# Altium PCB Fri3D_2024_01.PcbDoc (part 2 of 2)
Units mm, origin at the board's own origin, x right, y up, seen from the top; angles counter-clockwise.
Board outline 130.04 x 99.52 mm, 2 copper layers (Top Layer, Bottom Layer), stack 1.571 mm thick; 104 components, 67 nets, 407 pads, 196 vias.
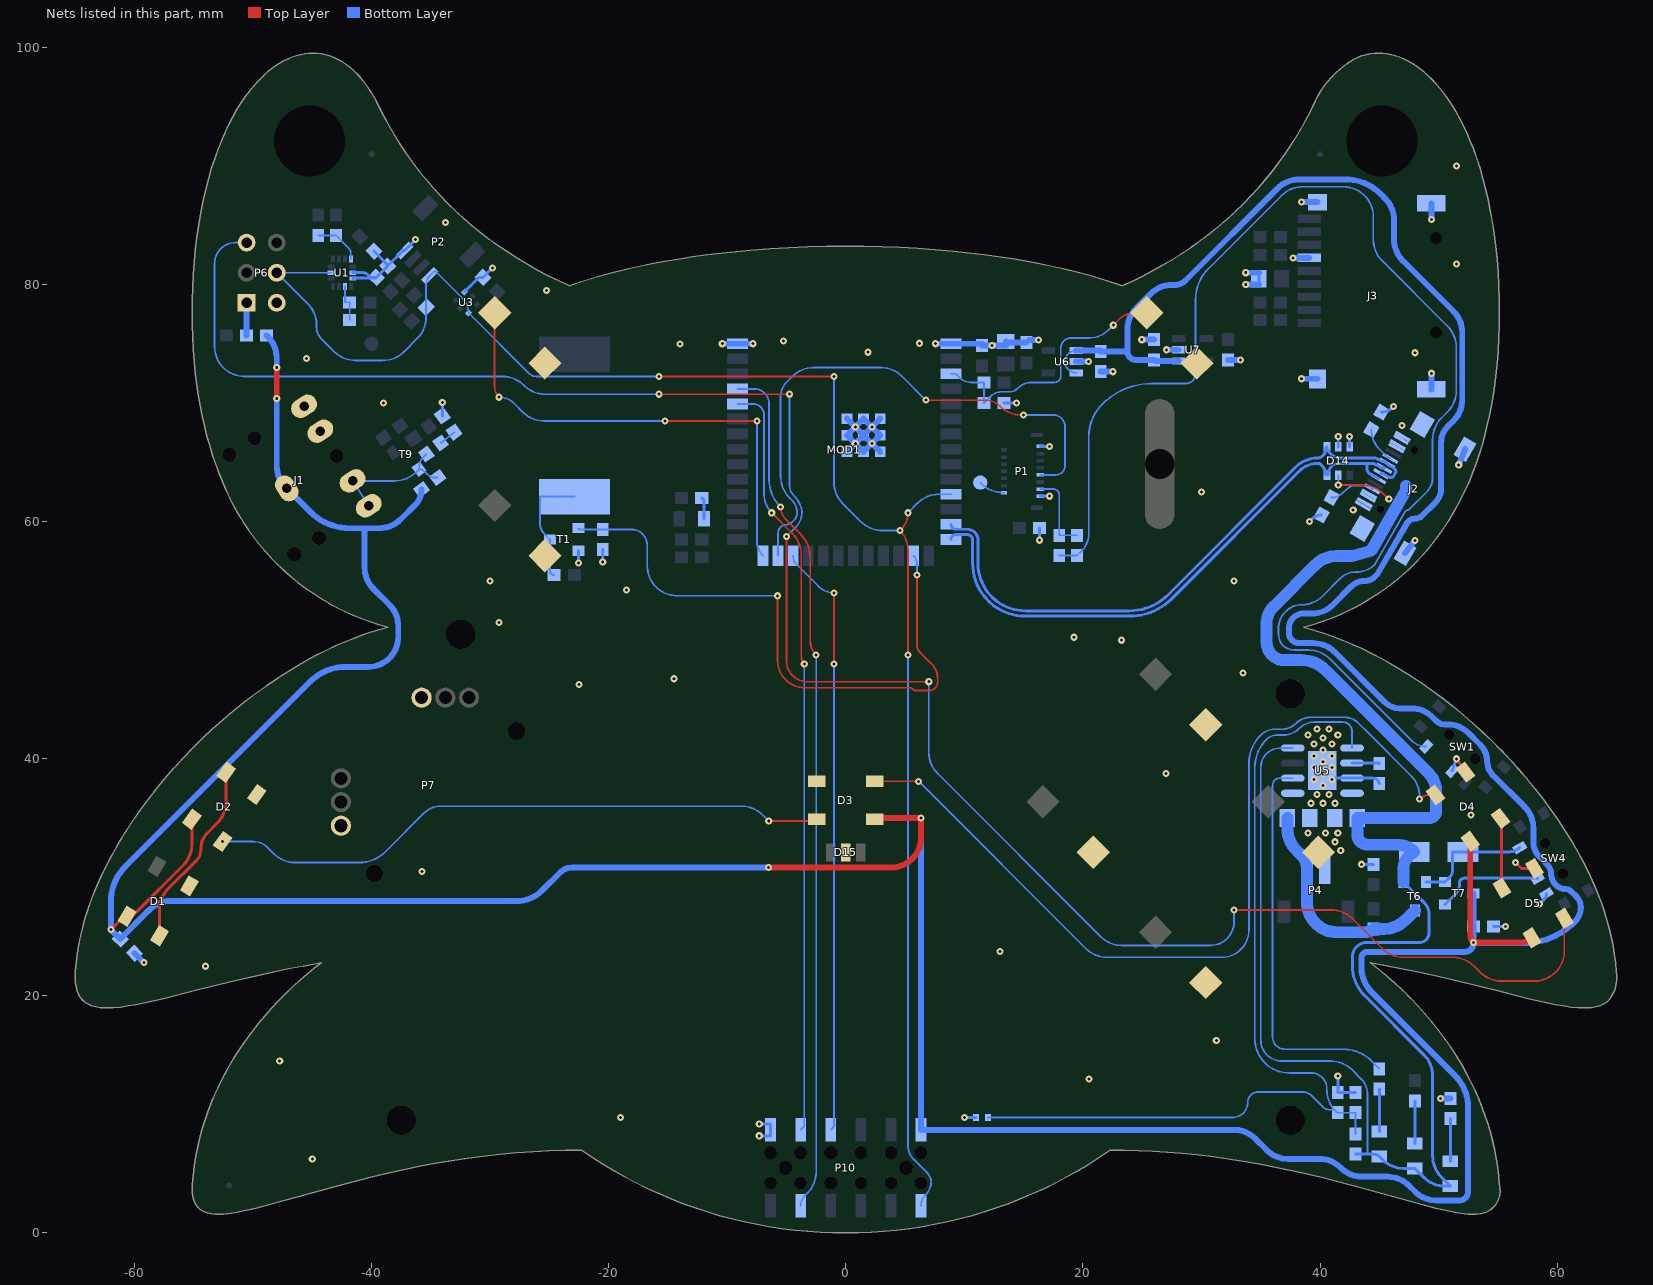
[diagram p2: the nets of this part, all layers, seen from the top]

## Via types
v1: diameter 0.6, hole 0.25, Top Layer to Bottom Layer, tented top, 196 vias

## Nets (pads, with @x,y where several pads share a name; then routed paths per layer and width w, separated by ;. In a path a pad name is that pad's centre, name@x,y a point inside that pad or via, vN(x,y) a via of type N, cw(c..) or ccw(c..) an arc to the next point about the centre after c; other vN are vias at no path point) (continued)
ESP.IO43: MOD1.37 P10.4 | length 72.7
  Top Layer w0.15: v1(-5.5,61.25) ccw(c-4.034,61.25) -5.071,60.213 -3.845,58.987 cw(c-5.884,56.948) -3,56.948 -3,49.957 ccw(c-1.293,49.957) v1(-2.5,48.75)
  Bottom Layer w0.15: MOD1.37@-9.125,71.2 -7.7,71.2 cw(c-7.7,69.973) -6.473,69.973 -6.473,63.52 ccw(c-3.341,63.52) v1(-5.5,61.25) ; P10.4@-3.81,2.3 cw(c-2.627,2.3) -3.464,3.136 -3.244,3.356 ccw(c-5.04,5.152) -2.5,5.152 v1(-2.5,48.75)
ESP.IO44: MOD1.36 P10.3 | length 64.4
  Top Layer w0.15: v1(-6.25,60.75) -4.494,58.994 cw(c-6.29,57.198) -3.75,57.198 -3.75,48.604 ccw(c-2.896,48.604) v1(-3.5,48)
  Bottom Layer w0.15: MOD1.36@-9.125,69.93 -7.805,69.93 cw(c-7.805,69.022) -6.897,69.022 -6.897,62.312 ccw(c-4.688,62.312) v1(-6.25,60.75) ; P10.3@-3.81,8.7 -3.5,9.01 v1(-3.5,48)
ESP.IO45: MOD1.26 SW5.1 | length 41.1
  Top Layer w0.15: SW5.1@-29.621,77.621 -29.621,71.396 ccw(c-28.354,71.396) v1(-29.25,70.5) ; v1(-15.25,68.5) v1(-7.5,68.5)
  Bottom Layer w0.15: v1(-29.25,70.5) cw(c-29.25,68.689) -27.97,69.97 -27.244,69.244 ccw(c-25.448,71.04) -26.498,68.727 ccw(c-25.448,71.04) -25.448,68.5 v1(-15.25,68.5) ; v1(-7.5,68.5) -7.5,58.368 ccw(c-5.742,58.368) MOD1.26@-6.985,57.125
ESP.IO46: MOD1.16 R5.1 T1.1 | length 52.9
  Top Layer w0.15: v1(-5.75,53.75) -5.75,48.29 ccw(c-3.46,48.29) -3.46,46 5.315,46 cw(c5.315,45.452) 5.702,45.84 ccw(c5.918,46.056) 5.918,45.75 7,45.75 ccw(c7,46.5) 7.75,46.5 7.75,46.75 ccw(c5.939,46.75) 7.22,48.03 6.25,49 cw(c6.854,49.604) 6,49.604 v1(6,55.5)
  Bottom Layer w0.15: T1.1@-22.55,59.45 ccw(c-22.45,59.45) -22.45,59.35 R5.1@-20.5,59.35 -18.1,59.35 cw(c-18.1,58) -16.75,58 -16.75,56.29 ccw(c-14.21,56.29) -14.21,53.75 v1(-5.75,53.75) ; MOD1.16@5.715,57.125 cw(c5.027,56.437) 6,56.437 v1(6,55.5)
ESP.IO47: MOD1.24 P10.5 | length 50.3
  Top Layer w0.15: v1(-1,48) v1(-1,54)
  Bottom Layer w0.15: MOD1.24@-4.445,57.125 ccw(c-3.407,57.125) -4.141,56.391 -2.28,54.53 ccw(c-1,55.811) v1(-1,54) ; P10.5@-1.27,8.7 -1,8.97 v1(-1,48)
ESP.IO48: MOD1.25 P1.9 | length 47.7
  Top Layer w0.15: v1(6.75,70.25) 11.793,70.25 cw(c11.793,68.543) 13,69.75 13.006,69.744 ccw(c14.802,71.54) 14.802,69 v1(15,69)
  Bottom Layer w0.15: MOD1.25@-5.715,57.125 -5.715,59.035 cw(c-5,59.035) -5,59.75 ccw(c-5,60.354) -4.573,59.927 -4.357,60.143 ccw(c-4.966,60.753) -4.104,60.753 ccw(c-5.625,60.753) -4.55,61.828 -4.756,62.035 cw(c-2.96,63.831) -5.5,63.831 -5.5,70.543 cw(c-3.793,70.543) -5,71.75 -4.494,72.256 cw(c-2.698,70.46) -2.698,73 2.948,73 cw(c2.948,70.46) 4.744,72.256 v1(6.75,70.25) ; v1(15,69) 17.5,69 cw(c17.5,68) 18.5,68 18.5,64.75 cw(c17.698,64.75) 17.698,63.948 P1.9@16.4,63.948
ESP.RESET: C8.1 MOD1.3 R8.2 SW11.1 | length 22.9
  Top Layer w0.15: v1(22.563,76.573) 23.043,77.053 cw(c24.414,75.683) 24.414,77.621 SW11.1@25.379,77.621
  Bottom Layer w0.15: MOD1.3@8.875,72.47 9.28,72.47 9.601,72.149 ccw(c10.564,73.112) 10.564,71.75 R8.2@11.65,71.75 C8.1@11.65,70 12.241,70.591 cw(c13.118,69.714) 13.118,70.954 13.786,70.954 ccw(c13.786,71.964) 14.5,71.25 cw(c15.707,70.043) 15.707,71.75 17.602,71.75 ccw(c17.602,72.284) 18.137,72.284 18.137,74.637 cw(c19,74.637) 19,75.5 20.536,75.5 ccw(c20.536,77.802) 22.163,76.173 ; 22.164,76.174 v1(22.563,76.573)
GND: C1.2 C2.2 C3.2 C4.2 C5.2 C6.2 C8.2 C9.2 C10.2 C11.2 C12.2 C16.2 C17.2 C18.2 C19.2 C20.2 C21.2 D1.3 D2.3 D3.3 D4.3 D5.3 D14.2 D14.3 D15.2 J1.2 J1.4 J2.A1 J2.A12 J2.B1 J2.B12 J2.MH1 J2.MH2 J2.MH3 J2.MH4 J3.6 J3.G1 J3.G2 J3.G3 J3.G4 MOD1.1 MOD1.40 MOD1.41 P1.1 P1.15 P2.1 P4.1 P6.2 P7.3 P7.6 P10.1 R5.2 R16.2 R17.2 R22.2 R25.2 R26.2 R27.2 R37.2 R38.2 R47.2 SW1.2 SW4.3 SW5.2 SW6.2 SW7.2 SW8.2 SW9.2 SW10.2 SW11.2 T1.2 U1.6 U1.7 U3.5 U5.3 U5.9 U6.2 U7.2 | length 90.8
  Top Layer w0.25: v1(51.5,40) D4.3@52.281,38.88 ; v1(56.5,31.25) 57,30.75 D5.3@58.086,30.75
  Bottom Layer w0.25: U1.7@-41.587,80.5 cw(c-41.479,80.392) -41.479,80.545 -39.737,80.545 ccw(c-39.737,80.737) C11.2@-39.601,80.601 ; U1.6@-41.587,81 -40.725,81 cw(c-40.725,80.396) -40.298,80.823 -40.076,80.601 C11.2@-39.601,80.601 ; C2.2@-39.794,82.825 -38.735,81.766 cw(c-38.937,81.564) C6.2@-38.651,81.564 ; v1(-36.3,83.8) -36.3,83.781 P2.1@-37.21,82.871 ccw(c-37.21,82.549) -37.438,82.777 C6.2@-38.651,81.564 ; R47.2@-34.038,68.928 v1(-34.038,70.04) ; U3.5@-32.177,79.384 -30.96,80.601 C3.2@-30.601,80.601 v1(-29.814,81.388) ; v1(-22.55,56.513) T1.2@-22.55,57.55 ; v1(-20.5,56.613) R5.2@-20.5,57.65 ; v1(-7.3,8.2) -6.35,8.2 P10.1@-6.35,8.7 -6.35,9.2 v1(-7.3,9.2) ; v1(10,9.75) R27.2@11,9.75 ; C8.2@13.35,70 v1(14.387,70) ; C19.2@15.25,75.1 C19.2@15.475,75.325 ; v1(16.35,58.437) C4.2@16.35,59.474 ; P1.15@16.4,62.148 v1(17.188,62.148) ; P1.1@16.4,66.348 v1(17.188,66.348) ; C1.2@34.85,80 C1.2@34.85,80.5 C1.2@34.85,81 ; v1(39.1,60) 39.338,60.238 cw(c40.125,59.451) R37.2@40.125,60.564 ; v1(41,38.25) 41,38.365 U5.3@42.7,38.365 44.406,38.365 cw(c44.406,37.681) 44.89,38.165 R22.2@45,37.9 ; v1(41.5,13.25) R25.2@41.5,11.85 R26.2@43,11.85 ; D14.2@41.54,66.318 v1(41.54,67.2) ; D14.3@42.49,66.318 v1(42.49,67.2) ; v1(43.5,31.1) R17.2@44.5,31.1 ; R38.2@45.175,69.236 ccw(c45.175,70.591) 46.133,69.633 v1(46.2,69.7) ; SW1.2@51.15,38.989 v1(51.5,40) ; C12.2@54.65,25.85 v1(55.638,25.85) ; v1(58.5,27.75) 58.905,28.155 ccw(c58.444,28.616) SW4.3@59.096,28.616 ; C11.2@-39.601,80.601 -38.651,81.551 C6.2@-38.651,81.564
  Bottom Layer w0.5: C5.2@-59.999,23.599 v1(-59.212,22.812) ; v1(-10.419,75.01) MOD1.40@-9.125,75.01 v1(-7.831,75.01) ; MOD1.41@0.1,65.89 v1(0.8,66.59) ; MOD1.41@0.1,68.69 v1(0.8,67.99) ; MOD1.41@2.9,65.89 v1(2.2,66.59) ; MOD1.41@2.9,68.69 v1(2.2,67.99) ; v1(7.581,75.01) MOD1.1@8.875,75.01 11.5,75.01 C9.2@11.5,74.85 v1(12.35,74.85) 13.5,74.85 C10.2@13.5,75.2 ccw(c13.742,75.442) 13.742,75.1 C19.2@15.25,75.1 ; C19.2@15.475,75.325 v1(16.269,75.325) ; U6.2@19.425,73.5 v1(20.462,73.5) ; C18.2@21.5,72.65 v1(22.537,72.65) ; v1(24.963,75.35) C20.2@26,75.35 ; v1(27.038,74.5) U7.2@28.075,74.5 ; C21.2@32.25,73.65 v1(33.287,73.65) ; v1(33.737,80) C1.2@34.85,80 ; v1(33.737,81) C1.2@34.85,81 ; v1(37.728,82.254) J3.6@39.091,82.254 ; v1(38.428,72.054) J3.G4@39.791,72.054 ; v1(38.428,86.954) J3.G1@39.791,86.954 ; J2.MH3@47.171,57.336 v1(48,58.4) ; J3.G3@49.391,71.154 v1(49.391,72.517) ; v1(49.391,85.492) J3.G2@49.391,86.854 ; v1(50.161,11.348) 50.163,11.35 R16.2@51,11.35 ; v1(51.7,64.8) J2.MH2@52.241,66.117 ; v1(0.8,66.59) MOD1.41@0.1,67.29 v1(0.8,67.99) ; v1(0.8,66.59) MOD1.41@1.5,67.29 ; v1(0.8,66.59) MOD1.41@1.5,65.89 v1(2.2,66.59) ; v1(0.8,67.99) MOD1.41@1.5,67.29 ; v1(0.8,67.99) MOD1.41@1.5,68.69 v1(2.2,67.99) ; MOD1.41@1.5,67.29 v1(2.2,67.99) ; MOD1.41@1.5,67.29 v1(2.2,66.59) ; v1(2.2,66.59) MOD1.41@2.9,67.29 v1(2.2,67.99)
  other v1: -45,6.25 -19,9.75 20.5,13 -47.75,14.5 31.25,16.25 -54,22.5 13,23.75 -35.75,30.5 41.75,32.25 41.25,33 39,33.75 40.45,33.75 41.5,33.75 52.75,35.25 39.25,36.25 40.25,36.25 41.25,36.25 39.75,37 40.75,37 40.25,37.75 39.5,38.25 27,38.75 40.25,38.75 39.5,39.25 41,39.25 40.25,39.75 39.5,40.25 41,40.25 40.25,40.75 39.5,41.25 41,41.25 40.25,41.75 39,42 41.5,42 39.75,42.5 40.75,42.5 -22.5,46.25 -14.5,46.75 33.5,47.25 23.25,50 19.25,50.25 -29.25,51.5 -18.5,54.25 -30,55 32.75,55 42.8,61 30,62.5 46.9,68.1 -39,70 -45.5,73.75 48,74.25 1.88,74.295 -14,75 6.215,75.046 -5.25,75.25 -25.25,79.5 51.5,81.75 -33.75,85.25 51.5,90
I2C.SCL: MOD1.11 P2.4 P6.4 P10.12 R10.2 U1.13 U3.2 | length 145.2
  Top Layer w0.15: v1(-15.75,72.25) v1(-1,72.25) ; v1(5.25,48.75) 5.25,57.585 ccw(c2.895,57.585) v1(4.56,59.25) 4.677,59.367 ccw(c3.294,60.75) v1(5.25,60.75)
  Bottom Layer w0.15: U1.13@-43.413,81 P6.4@-48,81 -45.384,78.384 cw(c-47.18,76.588) -44.64,76.588 -44.64,76.362 ccw(c-43.38,76.362) -44.271,75.471 -43.144,74.344 ccw(c-41.348,76.14) -41.348,73.6 -39.052,73.6 ccw(c-39.052,76.14) -37.256,74.344 -36.143,75.457 ccw(c-37.939,77.253) -35.399,77.253 R10.2@-35.399,78.101 -35.4,78.102 -35.4,79.998 cw(c-34.337,79.998) P2.4@-35.089,80.75 -34.738,81.1 -34.6,81.1 -32.323,78.823 cw(c-33.531,77.616) U3.2@-31.823,77.616 -26.701,72.494 ccw(c-26.112,73.083) -26.112,72.25 v1(-15.75,72.25) ; v1(-1,72.25) -1,63.323 ccw(c1.54,63.323) -0.256,61.527 1.235,60.036 ccw(c3.132,61.932) 3.132,59.25 v1(4.56,59.25) ; v1(5.25,48.75) 5.25,7.338 ccw(c6.851,7.338) 5.719,6.205 6.9,5.024 cw(c6.175,4.3) 7.2,4.3 cw(c5.751,4.3) 6.776,3.276 6.739,3.239 ccw(c7.678,2.3) P10.12@6.35,2.3 ; v1(5.25,60.75) 6.08,61.58 cw(c7.843,59.817) 7.843,62.31 MOD1.11@8.875,62.31
LCD.LED_K: R6.2 R43.2 SW1.1 | length 112.5
  Bottom Layer w0.15: R6.2@18,57.15 R43.2@19.5,57.15 19.899,57.549 ccw(c18.448,59) 20.5,59 20.5,67.183 cw(c24.369,67.183) 21.633,69.919 cw(c25.797,65.755) 25.797,71.644 28.644,71.644 ccw(c28.644,72.5) 29.5,72.5 29.5,78.711 cw(c33.23,78.711) 30.593,81.349 36.75,87.506 cw(c38.546,85.71) 38.546,88.25 41.96,88.25 cw(c41.96,85.71) 44.5,85.71 44.5,83.802 ccw(c47.04,83.802) 45.244,82.006 50.756,76.494 cw(c48.96,74.698) 51.5,74.698 51.5,71.052 cw(c48.96,71.052) 50.756,69.256 50.244,68.744 ccw(c52.04,66.948) 49.5,66.948 49.5,63.707 cw(c47.793,63.707) 49,62.5 47.5,61 ccw(c47.5,60.574) 47.199,60.875 44.606,56.384 cw(c43.072,57.918) 43,55.75 ccw(c43,53.939) 41.72,55.22 40.207,53.707 cw(c38.5,55.414) 38.5,53 ccw(c38.5,51) 36.506,51.153 ccw(c38.5,51) 36.5,51 36.5,50.5 ccw(c37.825,50.5) 37.825,49.175 39.023,49.175 cw(c39.023,46.635) 40.819,48.431 47.69,41.56 ccw(c48.956,42.826) SW1.1@48.956,41.035
LCD.TE: P1.14 TP2.1 | length 2.3
  Bottom Layer w0.15: TP2.1@11.345,63.297 11.45,63.192 ccw(c13.246,64.988) 13.246,62.448 P1.14@13.335,62.448 P1.14@13.393,62.448
LED.DOUT: D5.2 P6.5 | length 172.4
  Top Layer w0.15: v1(-15.75,70.75) v1(-4.75,70.75) ; v1(-5,58.75) -5,48.25 ccw(c-3.25,48.25) -3.25,46.5 v1@6.959,46.5 ; v1(32.75,27.25) 40.948,27.25 cw(c40.948,24.71) 42.744,26.506 45.256,23.994 ccw(c47.052,25.79) 47.052,23.25 51.198,23.25 cw(c51.198,20.71) 52.994,22.506 53.506,21.994 ccw(c55.302,23.79) 55.302,21.25 58.07,21.25 ccw(c58.07,23.79) 60.61,23.79 D5.2@60.609,26.549
  Bottom Layer w0.15: P6.5@-50.54,83.54 -51.46,83.54 ccw(c-51.46,81.75) -53.25,81.75 -53.25,74.79 ccw(c-50.71,74.79) -50.71,72.25 -28.946,72.25 cw(c-28.946,69.742) -27.173,71.516 -27.151,71.494 ccw(c-25.355,73.29) -27.079,71.424 ccw(c-25.355,73.29) -25.355,70.75 v1(-15.75,70.75) ; v1(-5,58.75) -4.226,59.524 ccw(c-5.489,60.787) -3.703,60.787 ccw(c-5.341,60.737) -3.836,61.387 ccw(c-6.258,60.34) -4.392,62.206 cw(c-3.529,63.069) -4.75,63.069 v1(-4.75,70.75) ; v1(7,46.5) 7,40.552 ccw(c9.54,40.552) 7.744,38.756 21.506,24.994 ccw(c23.302,26.79) 23.302,24.25 30.75,24.25 ccw(c30.75,26.25) 32.75,26.25 v1(32.75,27.25)
NetBUZ1_1: BUZ1.1 R11.1 T1.3 | length 10
  Bottom Layer w0.15: -25.429,58.979 cw(c-24.533,59.875) -25.8,59.875 -25.8,62.115 BUZ1.1@-22.88,62.115 ; -25.429,58.979 T1.3@-24.95,58.5 -24.95,55.85 ccw(c-24.6,55.85) R11.1@-24.6,55.5
NetD1_2: D1.2 D2.4 | length 15.8
  Top Layer w0.25: D1.2@-57.89,25.076 -57.89,27.258 cw(c-55.35,27.258) -57.146,29.054 -54.754,31.446 ccw(c-55.607,32.3) -54.4,32.3 -54.4,32.422 cw(c-52.522,32.422) -53.851,33.749 ; -53.85,33.75 -53.02,34.58 ccw(c-54.816,36.376) -52.276,36.376 D2.4@-52.276,38.865
NetD2_2: D2.2 D3.4 | length 52.9
  Top Layer w0.15: v1(-6.5,34.75) -2.812,34.75 ccw(c-2.812,35.262) D3.4@-2.45,34.9
  Bottom Layer w0.15: v1(-52.568,33.02) -50.006,33.02 cw(c-50.006,31.244) -48.75,32.5 -48.244,31.994 ccw(c-46.448,33.79) -46.448,31.25 -41.052,31.25 ccw(c-41.052,34.419) -38.812,32.178 -35.549,35.44 cw(c-34.198,34.089) -34.198,36 -8.802,36 cw(c-8.802,33.46) -7.006,35.256 v1(-6.5,34.75)
NetD3_2: D3.2 D4.4 | length 74.3
  Top Layer w0.15: D3.2@2.45,38.1 v1(6.138,38.1) ; v1(48.407,36.6) cw(c49.262,35.745) 49.262,36.954 D4.4@49.725,36.954
  Bottom Layer w0.15: v1(6.138,38.1) 20.244,23.994 ccw(c22.04,25.79) 22.04,23.25 31.71,23.25 ccw(c31.71,25.54) 34,25.54 34,39.594 cw(c37.394,39.594) 34.994,41.994 cw(c36.216,40.772) 36.216,42.5 36.793,42.5 ccw(c36.793,44.207) 38,43 cw(c39.207,41.793) 39.207,43.5 42.043,43.5 cw(c42.043,41.793) 43.25,43 44.146,42.104 47.663,38.587 cw(c45.867,36.791) 48.407,36.791 v1(48.407,36.6)
NetD4_2: D4.2 D5.4 | length 5.9
  Top Layer w0.25: D4.2@55.229,34.967 55.3,34.896 55.3,29.101 D5.4@55.343,29.101
NetD7_2: D7.2 R13.1 | length 1.8
  Bottom Layer w0.25: R13.1@-12.15,62 -11.95,61.8 D7.2@-11.95,60.25
NetD10_2: D10.2 R16.1 | length 3.6
  Bottom Layer w0.25: D10.2@51,6.05 R16.1@51,9.65
NetD11_2: D11.2 R24.1 | length 3.6
  Bottom Layer w0.25: D11.2@48,7.55 R24.1@48,11.15
NetD12_2: D12.2 R23.1 | length 3.6
  Bottom Layer w0.25: D12.2@45,8.55 R23.1@45,12.15
NetJ1_3: J1.3 J1.5 R4.2 R36.2 T9.3 | length 11.7
  Bottom Layer w0.15: J1.3@-40.241,61.342 J1.5@-41.603,63.439 -38.037,63.439 ccw(c-38.037,65.979) -36.241,64.183 T9.3@-35.995,64.429 ; R4.2@-35.385,65.702 -35.648,65.439 ccw(c-34.841,64.633) -35.982,64.633 -35.982,64.459 cw(c-36.025,64.459) T9.3@-35.995,64.429 ; R36.2@-34.411,63.721 -34.625,63.721 cw(c-34.625,64.675) -35.3,64 -35.541,64.241 ccw(c-35.995,63.788) T9.3@-35.995,64.429
NetJ2_A5: J2.A5 R38.1 | length 3
  Bottom Layer w0.15: R38.1@44.325,67.764 ccw(c46.632,67.764) 45.001,66.133 45.677,65.456 ccw(c45.919,65.698) J2.A5@45.919,65.356
NetJ2_B5: J2.B5 R37.1 | length 3.8
  Bottom Layer w0.15: R37.1@40.975,62.036 ccw(c40.975,63.391) 41.933,62.433 42.2,62.7 cw(c43.05,61.85) 43.05,63.052 43.709,63.052 cw(c43.709,62.048) J2.B5@44.419,62.758
NetP1_13: P1.13 R6.1 R43.1 | length 6.8
  Bottom Layer w0.15: P1.13@16.4,62.748 17.531,62.748 cw(c17.531,62.28) 18,62.28 R6.1@18,58.85 R43.1@19.5,58.85
NetP6_1: P6.1 R44.1 R45.2 | length 2.8
  Bottom Layer w0.5: R44.1@-50.55,75.71 -50.54,75.72 P6.1@-50.54,78.46
NetR2_2: R2.2 R46.1 U1.4 | length 4
  Bottom Layer w0.15: R2.2@-44.5,84.15 R46.1@-43,84.15 -41.963,83.113 cw(c-42.477,82.599) -41.75,82.599 U1.4@-41.75,82.163
NetR3_2: R3.2 R39.1 U1.9 | length 3.2
  Bottom Layer w0.15: U1.9@-42.25,79.837 -42.25,78.5 R3.2@-41.85,78.5 ; R39.1@-41.85,77 R3.2@-41.85,78.5
NetR22_1: R22.1 U5.2 | length 2.3
  Bottom Layer w0.25: U5.2@42.7,39.635 44.915,39.635 cw(c44.915,39.515) R22.1@45,39.6
NetR32_1: R32.1 R47.1 | length 1.5
  Bottom Layer w0.15: R32.1@-34.171,66.634 R47.1@-33.038,67.552
PWR.EN: SW4.2 T7.1 | length 9.1
  Bottom Layer w0.25: T7.1@50.55,27.7 51.503,28.653 ccw(c50.905,29.25) 51.75,29.25 51.75,29.513 cw(c52.162,29.513) 52.162,29.925 58.346,29.925 SW4.2@58.346,29.915
S\T\D\B\Y\: R23.2 U5.6 | length 33.4
  Bottom Layer w0.15: U5.6@37.7,38.365 36.598,38.365 ccw(c36.598,37.767) 36,37.767 36,26.232 36,16.548 ccw(c37.048,16.548) 37.048,15.5 41.978,15.5 cw(c41.978,12.188) 44.32,14.53 R23.2@45,13.85
TEMP: R21.2 R25.1 R26.1 R27.1 U5.1 | length 80.4
  Bottom Layer w0.15: R27.1@12,9.75 32.65,9.75 ccw(c32.65,11) 33.9,11 cw(c34.8,11) 34.8,11.9 38.5,11.9 cw(c38.5,10.693) 39.354,11.546 40.323,10.577 ccw(c40.75,11.003) 40.75,10.4 40.897,10.4 cw(c40.897,9.547) R25.1@41.5,10.15 ; U5.1@42.7,40.905 42.7,42.3 ccw(c41.904,42.3) 41.904,43.096 39.545,43.096 ccw(c39.545,41.264) 38.25,42.559 cw(c36.899,43.91) 36.899,42 36.344,42 ccw(c36.344,40.798) 35.494,41.648 ccw(c37.894,39.248) 34.5,39.248 34.5,16.398 ccw(c37.398,16.398) 37.398,13.5 39.25,13.5 cw(c39.25,12.175) 40.575,12.175 ccw(c43.287,12.124) 41.369,10.206 R25.1@41.5,10.15 ; R21.2@43,8.35 R26.1@43,10.15 R25.1@41.5,10.15
USB.D_n: D14.1 J2.A7 J2.B7 MOD1.13 | length 50.7
  Bottom Layer w0.25: MOD1.13@8.875,59.77 ccw(c9.285,59.77) 9.285,59.36 10.248,59.36 cw(c10.248,58.46) 11.147,58.46 11.147,56.486 ccw(c15.153,56.486) 15.153,52.481 23.935,52.481 ccw(c23.935,57.059) 27.172,53.822 37.961,64.611 cw(c39.789,62.784) 39.789,65.368 ccw(c39.789,65.949) 40.2,65.538 40.303,65.642 ccw(c39.981,65.963) 40.436,65.963 cw(c40.922,65.963) 40.578,66.307 D14.1@40.59,66.318 ccw(c41.26,66.318) 40.786,65.845 ccw(c41.703,66.489) 41.703,65.368 44.619,65.368 cw(c44.619,64.987) 44.888,65.257 cw(c44.866,64.983) 45.003,65.221 45.274,65.065 cw(c45.294,64.615) 45.612,64.933 45.737,64.808 cw(c45.419,64.49) 45.759,64.784 46.259,64.496 cw(c46.122,64.258) 46.36,64.12 46.21,63.86 cw(c45.972,63.998) 45.834,63.76 45.334,64.048 cw(c45.419,64.49) 45.238,64.078 cw(c45.205,64.527) 45.145,64.081 J2.A7@45.169,64.057
USB.D_p: D14.6 J2.A6 J2.B6 MOD1.14 | length 49.7
  Bottom Layer w0.25: MOD1.14@8.875,58.5 cw(c9.285,58.5) 9.285,58.91 10.248,58.91 cw(c10.248,58.46) 10.697,58.46 10.697,56.486 ccw(c15.153,56.486) 15.153,52.031 23.936,52.031 ccw(c23.936,57.056) 27.489,53.503 38.279,64.292 cw(c39.79,62.781) 39.79,64.918 cw(c39.79,64.46) 40.114,64.784 cw(c39.357,63.964) 40.473,63.964 D14.6@40.59,63.918 ; D14.6@40.669,63.951 cw(c41.669,63.951) 40.962,64.658 cw(c41.59,64.03) 41.59,64.918 43.973,64.918 ; J2.B6@44.919,63.624 44.133,64.077 cw(c44.519,64.463) 43.973,64.463 43.973,64.918 ; J2.A6@45.419,64.49 45.294,64.615 45.205,64.527 44.753,64.788 ccw(c44.616,64.55) 44.695,64.813 ccw(c44.441,64.558) 44.441,64.918 43.973,64.918
VB-S: D13.C SW4.1 T6.2 T7.2 | length 10.1
  Bottom Layer w0.25: T6.2@48.95,29.6 T7.2@50.55,29.6 50.906,29.956 ccw(c50.267,30.594) 51.17,30.594 51.17,32.15 D13.C@52.05,32.15 55.97,32.15 ccw(c55.97,33.389) SW4.1@56.846,32.513
VBAT: C17.1 P4.2 R12.1 T6.3 U5.5 | length 18.8
  Bottom Layer w1: C17.1@37.25,35 37.25,34.096 ccw(c39.79,34.096) 37.994,32.3 38.41,31.884 cw(c37.226,30.7) P4.2@38.9,30.7 38.9,27.903 ccw(c41.44,27.903) 41.44,25.363 43.807,25.363 ccw(c43.807,26.343) R12.1@44.5,25.65 45.398,25.65 ccw(c45.398,28.19) 47.194,26.394 T6.3@48,27.2
VSYS: C5.1 C12.1 C18.1 C20.1 D1.1 D2.1 D3.1 D4.1 D5.1 J1.1 P10.11 R36.1 R44.2 T7.3 U6.1 U6.3 U7.1 | length 426.4
  Top Layer w0.25: v1(-61.988,25.588) -61.007,26.569 cw(c-60.633,26.196) D1.1@-60.633,26.724 ccw(c-60.633,27.828) -59.853,27.047 -55.901,30.999 ccw(c-57.697,32.795) -55.157,32.795 D2.1@-55.157,34.901
  Top Layer w0.5: v1(-48,70.4) v1(-48,73) ; v1(-6.517,30.82) 3.81,30.82 ccw(c3.81,33.36) 6.35,33.36 v1(6.35,35.009) 2.712,35.009 ccw(c2.712,34.638) D3.1@2.45,34.9 ; D4.1@52.674,33.041 52.674,25.157 ccw(c53.617,25.157) v1(52.95,24.49) 56.873,24.49 ccw(c56.873,25.895) D5.1@57.866,24.901
  Bottom Layer w0.15: U6.3@19.425,72.559 cw(c19.435,73.5) U6.1@19.425,74.441
  Bottom Layer w0.5: R44.2@-48.85,75.71 -48.744,75.604 cw(c-50.54,73.808) -48,73.808 v1(-48,73) ; v1(-48,70.4) -48,64.707 ccw(c-45.46,64.707) -47.256,62.911 J1.1@-47.158,62.812 -45.179,60.834 ccw(c-41.822,64.191) -41.822,59.443 -40.59,59.443 ; R36.1@-35.786,62.721 cw(c-37.615,62.721) -36.322,61.428 -37.563,60.187 cw(c-39.359,61.983) -39.359,59.443 -40.59,59.443 ; v1(-6.517,30.82) -23.101,30.82 ccw(c-23.101,29.423) -24.089,30.411 -25.601,28.899 cw(c-27.771,31.068) -27.771,28 -56.95,28 ccw(c-56.95,25.46) -58.746,27.256 C5.1@-61.201,24.801 v1(-61.988,25.588) -61.988,27.96 cw(c-57.8,27.96) -60.761,30.921 -45.159,46.523 cw(c-42.198,43.562) -42.198,47.75 -40.29,47.75 ccw(c-40.29,50.29) -37.75,50.29 -37.75,51.198 ccw(c-40.29,51.198) -38.494,52.994 -39.847,54.347 cw(c-38.05,56.143) -40.59,56.143 -40.59,59.443 ; v1(6.35,35.009) P10.11@6.35,8.7 32.748,8.7 ; U6.1@19.425,74.441 C18.1@21.5,74.45 ; C18.1@21.5,74.45 C18.1@21.5,74.35 23.75,74.35 ; U7.1@28.075,73.55 26.241,73.55 cw(c26.241,73.891) C20.1@26,73.65 24.45,73.65 cw(c24.45,74.35) 23.75,74.35 ; 33.148,8.7 32.748,8.7 ; T7.3@52.95,28.65 v1(52.95,24.49) v1@52.95,24.45 ; 59.146,31.104 58.496,31.754 cw(c59.695,32.952) 58,32.952 58,34.148 ccw(c55.46,34.148) 57.256,35.944 54.595,38.605 cw(c55.79,39.8) 54.1,39.8 ccw(c52.169,39.8) 53.534,41.166 52.544,42.156 ccw(c50.748,40.36) 50.748,42.9 50.5,42.9 cw(c50.5,43.866) 49.817,43.183 49.494,43.506 ccw(c47.698,41.71) 47.698,44.25 46.75,44.25 cw(c46.75,46.061) 45.47,44.78 41.244,49.006 ccw(c39.448,47.21) 39.448,49.75 38.25,49.75 cw(c38.25,50.63) 37.37,50.63 37.37,51 cw(c38.62,51) 38.62,52.25 39.298,52.25 ccw(c39.298,54.79) 41.094,52.994 42.64,54.54 cw(c43.75,53.431) 43.75,55 ccw(c43.75,56.262) 44.642,55.37 44.857,55.584 47.357,59.915 47.475,60.033 cw(c48,59.508) 48,60.25 ccw(c48,61.095) 48.597,60.497 49.751,61.651 ccw(c48.617,62.785) 50.221,62.785 50.221,66.732 cw(c52.006,66.732) 50.744,67.994 51.256,68.506 ccw(c49.46,70.302) 52,70.302 52,75.948 ccw(c49.46,75.948) 51.256,77.744 46.994,82.006 cw(c48.825,83.837) 46.236,83.837 46.236,85.483 ccw(c43.745,85.483) 45.506,87.244 45.097,87.653 ccw(c42.147,84.702) 42.147,88.875 38.283,88.875 ccw(c38.283,86.219) 36.404,88.097 28.648,80.34 cw(c27.727,81.261) 27.527,79.975 ccw(c27.527,77.435) 25.731,79.231 24.494,77.994 ccw(c26.29,76.198) 23.75,76.198 23.75,74.35 ; 59.147,31.103 cw(c58.293,30.25) 59.5,30.25 ccw(c60.707,30.25) 59.854,29.396 59.896,29.354 ; 59.897,29.353 ccw(c60.75,30.207) 60.75,29 cw(c60.75,28.396) 61.177,28.823 61.646,28.354 cw(c60.793,27.5) 62,27.5 cw(c60.203,27.5) 61.474,26.23 cw(c57.177,30.526) 57.177,24.45 v1@52.95,24.45 ; 32.748,8.7 cw(c32.748,6.16) 34.544,7.956 35.506,6.994 ccw(c37.302,8.79) 37.302,6.25 39.948,6.25 cw(c39.948,3.71) 41.744,5.506 41.756,5.494 ccw(c43.552,7.29) 43.552,4.75 45.698,4.75 cw(c45.698,2.21) 47.494,4.006 48.006,3.494 ccw(c49.802,5.29) 49.802,2.75 51.75,2.75 ccw(c51.75,3.5) 52.5,3.5 52.5,10.582 ccw(c48.666,10.582) 51.377,13.293 44.371,20.299 cw(c46.478,22.406) 43.499,22.406 43.499,23.209 cw(c44.004,23.209) 44.004,23.714 52.214,23.714 ccw(c52.214,24.45) v1@52.95,24.45